# KiCad board panel_0.kicad_pcb (continued)
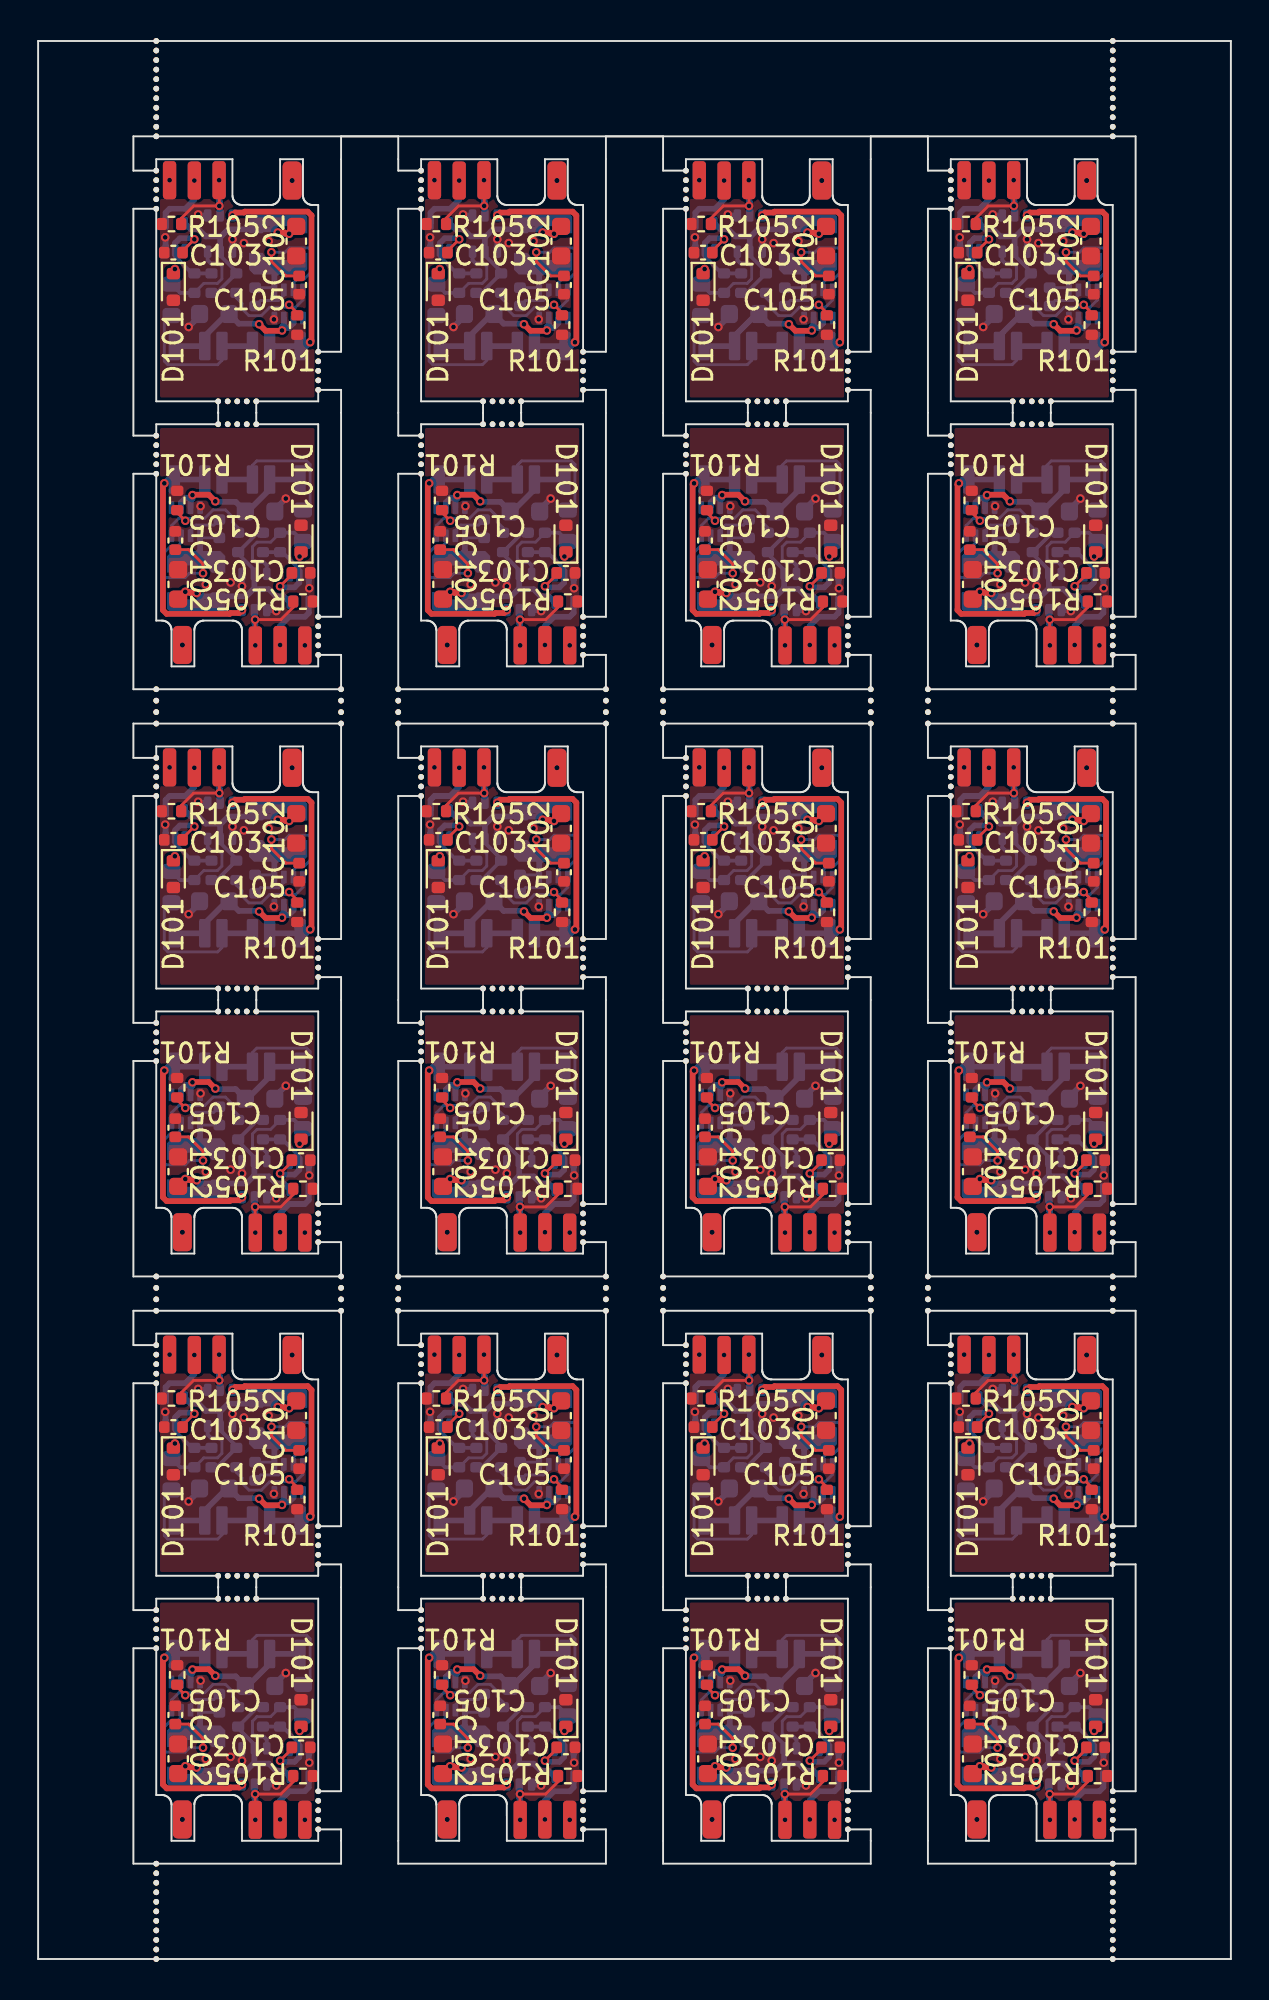
[diagram p0: board, top side]
## Placement (name value [footprint] x y rotation side) (continued)
H108#13  Pad  [SolderWirePad_1x01_SMD_1.5x3mm#2]  55.03 62.48 0 top
H108#14  Pad  [SolderWirePad_1x01_SMD_1.5x3mm#2]  7.57 38.12 180 top
H108#15  Pad  [SolderWirePad_1x01_SMD_1.5x3mm#2]  7.57 7.32 180 top
H108#16  Pad  [SolderWirePad_1x01_SMD_1.5x3mm#2]  49.27 7.32 180 top
H108#17  Pad  [SolderWirePad_1x01_SMD_1.5x3mm#2]  35.37 7.32 180 top
H108#18  Pad  [SolderWirePad_1x01_SMD_1.5x3mm#2]  41.13 62.48 0 top
H108#19  Pad  [SolderWirePad_1x01_SMD_1.5x3mm#2]  27.23 93.28 0 top
H108#20  Pad  [SolderWirePad_1x01_SMD_1.5x3mm#2]  41.13 31.68 0 top
H108#21  Pad  [SolderWirePad_1x01_SMD_1.5x3mm#2]  27.23 62.48 0 top
H108#22  Pad  [SolderWirePad_1x01_SMD_1.5x3mm#2]  13.33 31.68 0 top
H108#23  Pad  [SolderWirePad_1x01_SMD_1.5x3mm#2]  35.37 38.12 180 top
H108#24  Pad  [SolderWirePad_1x01_SMD_1.5x3mm#2]  41.13 93.28 0 top
H109  Pad  [SolderWirePad_1x01_SMD_1.5x3mm]  22.1 62.48 0 top
H109#2  Pad  [SolderWirePad_1x01_SMD_1.5x3mm]  12.7 38.12 180 top
H109#3  Pad  [SolderWirePad_1x01_SMD_1.5x3mm]  49.9 93.28 0 top
H109#4  Pad  [SolderWirePad_1x01_SMD_1.5x3mm]  12.7 7.32 180 top
H109#5  Pad  [SolderWirePad_1x01_SMD_1.5x3mm]  40.5 7.32 180 top
H109#6  Pad  [SolderWirePad_1x01_SMD_1.5x3mm]  26.6 68.92 180 top
H109#7  Pad  [SolderWirePad_1x01_SMD_1.5x3mm]  22.1 93.28 0 top
H109#8  Pad  [SolderWirePad_1x01_SMD_1.5x3mm]  54.4 38.12 180 top
H109#9  Pad  [SolderWirePad_1x01_SMD_1.5x3mm]  22.1 31.68 0 top
H109#10  Pad  [SolderWirePad_1x01_SMD_1.5x3mm]  40.5 68.92 180 top
H109#11  Pad  [SolderWirePad_1x01_SMD_1.5x3mm]  36 62.48 0 top
H109#12  Pad  [SolderWirePad_1x01_SMD_1.5x3mm]  8.2 31.68 0 top
H109#13  Pad  [SolderWirePad_1x01_SMD_1.5x3mm]  36 93.28 0 top
H109#14  Pad  [SolderWirePad_1x01_SMD_1.5x3mm]  54.4 7.32 180 top
H109#15  Pad  [SolderWirePad_1x01_SMD_1.5x3mm]  12.7 68.92 180 top
H109#16  Pad  [SolderWirePad_1x01_SMD_1.5x3mm]  26.6 38.12 180 top
H109#17  Pad  [SolderWirePad_1x01_SMD_1.5x3mm]  49.9 62.48 0 top
H109#18  Pad  [SolderWirePad_1x01_SMD_1.5x3mm]  49.9 31.68 0 top
H109#19  Pad  [SolderWirePad_1x01_SMD_1.5x3mm]  36 31.68 0 top
H109#20  Pad  [SolderWirePad_1x01_SMD_1.5x3mm]  54.4 68.92 180 top
H109#21  Pad  [SolderWirePad_1x01_SMD_1.5x3mm]  8.2 93.28 0 top
H109#22  Pad  [SolderWirePad_1x01_SMD_1.5x3mm]  26.6 7.32 180 top
H109#23  Pad  [SolderWirePad_1x01_SMD_1.5x3mm]  8.2 62.48 0 top
H109#24  Pad  [SolderWirePad_1x01_SMD_1.5x3mm]  40.5 38.12 180 top
H110  Pad  [SolderWirePad_1x01_SMD_1.5x3mm]  39.2 7.3 180 top
H110#2  Pad  [SolderWirePad_1x01_SMD_1.5x3mm]  53.1 38.1 180 top
H110#3  Pad  [SolderWirePad_1x01_SMD_1.5x3mm]  39.2 68.9 180 top
H110#4  Pad  [SolderWirePad_1x01_SMD_1.5x3mm]  23.4 31.7 0 top
H110#5  Pad  [SolderWirePad_1x01_SMD_1.5x3mm]  25.3 68.9 180 top
H110#6  Pad  [SolderWirePad_1x01_SMD_1.5x3mm]  23.4 93.3 0 top
H110#7  Pad  [SolderWirePad_1x01_SMD_1.5x3mm]  25.3 38.1 180 top
H110#8  Pad  [SolderWirePad_1x01_SMD_1.5x3mm]  51.2 93.3 0 top
H110#9  Pad  [SolderWirePad_1x01_SMD_1.5x3mm]  11.4 38.1 180 top
H110#10  Pad  [SolderWirePad_1x01_SMD_1.5x3mm]  9.5 93.3 0 top
H110#11  Pad  [SolderWirePad_1x01_SMD_1.5x3mm]  23.4 62.5 0 top
H110#12  Pad  [SolderWirePad_1x01_SMD_1.5x3mm]  37.3 31.7 0 top
H110#13  Pad  [SolderWirePad_1x01_SMD_1.5x3mm]  53.1 7.3 180 top
H110#14  Pad  [SolderWirePad_1x01_SMD_1.5x3mm]  37.3 62.5 0 top
H110#15  Pad  [SolderWirePad_1x01_SMD_1.5x3mm]  9.5 62.5 0 top
H110#16  Pad  [SolderWirePad_1x01_SMD_1.5x3mm]  39.2 38.1 180 top
H110#17  Pad  [SolderWirePad_1x01_SMD_1.5x3mm]  53.1 68.9 180 top
H110#18  Pad  [SolderWirePad_1x01_SMD_1.5x3mm]  9.5 31.7 0 top
H110#19  Pad  [SolderWirePad_1x01_SMD_1.5x3mm]  25.3 7.3 180 top
H110#20  Pad  [SolderWirePad_1x01_SMD_1.5x3mm]  51.2 62.5 0 top
H110#21  Pad  [SolderWirePad_1x01_SMD_1.5x3mm]  11.4 7.3 180 top
H110#22  Pad  [SolderWirePad_1x01_SMD_1.5x3mm]  37.3 93.3 0 top
H110#23  Pad  [SolderWirePad_1x01_SMD_1.5x3mm]  11.4 68.9 180 top
H110#24  Pad  [SolderWirePad_1x01_SMD_1.5x3mm]  51.2 31.7 0 top
H111  Pad  [SolderWirePad_1x01_SMD_1.5x3mm]  27.9 38.1 180 top
H111#2  Pad  [SolderWirePad_1x01_SMD_1.5x3mm]  48.6 31.7 0 top
H111#3  Pad  [SolderWirePad_1x01_SMD_1.5x3mm]  14 68.9 180 top
H111#4  Pad  [SolderWirePad_1x01_SMD_1.5x3mm]  27.9 68.9 180 top
H111#5  Pad  [SolderWirePad_1x01_SMD_1.5x3mm]  14 7.3 180 top
H111#6  Pad  [SolderWirePad_1x01_SMD_1.5x3mm]  20.8 93.3 0 top
H111#7  Pad  [SolderWirePad_1x01_SMD_1.5x3mm]  6.9 93.3 0 top
H111#8  Pad  [SolderWirePad_1x01_SMD_1.5x3mm]  41.8 68.9 180 top
H111#9  Pad  [SolderWirePad_1x01_SMD_1.5x3mm]  55.7 7.3 180 top
H111#10  Pad  [SolderWirePad_1x01_SMD_1.5x3mm]  20.8 31.7 0 top
H111#11  Pad  [SolderWirePad_1x01_SMD_1.5x3mm]  6.9 31.7 0 top
H111#12  Pad  [SolderWirePad_1x01_SMD_1.5x3mm]  27.9 7.3 180 top
H111#13  Pad  [SolderWirePad_1x01_SMD_1.5x3mm]  6.9 62.5 0 top
H111#14  Pad  [SolderWirePad_1x01_SMD_1.5x3mm]  14 38.1 180 top
H111#15  Pad  [SolderWirePad_1x01_SMD_1.5x3mm]  55.7 68.9 180 top
H111#16  Pad  [SolderWirePad_1x01_SMD_1.5x3mm]  34.7 62.5 0 top
H111#17  Pad  [SolderWirePad_1x01_SMD_1.5x3mm]  41.8 7.3 180 top
H111#18  Pad  [SolderWirePad_1x01_SMD_1.5x3mm]  34.7 93.3 0 top
H111#19  Pad  [SolderWirePad_1x01_SMD_1.5x3mm]  34.7 31.7 0 top
H111#20  Pad  [SolderWirePad_1x01_SMD_1.5x3mm]  55.7 38.1 180 top
H111#21  Pad  [SolderWirePad_1x01_SMD_1.5x3mm]  41.8 38.1 180 top
H111#22  Pad  [SolderWirePad_1x01_SMD_1.5x3mm]  48.6 62.5 0 top
H111#23  Pad  [SolderWirePad_1x01_SMD_1.5x3mm]  20.8 62.5 0 top
H111#24  Pad  [SolderWirePad_1x01_SMD_1.5x3mm]  48.6 93.3 0 top
KiKit_MB_1_1  -  [NPTH]  11.45 81.7 0 top
KiKit_MB_1_2  -  [NPTH]  10.95 81.7 0 top
KiKit_MB_1_3  -  [NPTH]  10.45 81.7 0 top
KiKit_MB_1_4  -  [NPTH]  9.95 81.7 0 top
KiKit_MB_1_5  -  [NPTH]  9.45 81.7 0 top
KiKit_MB_2_1  -  [NPTH]  14.7 84.3 0 top
KiKit_MB_2_2  -  [NPTH]  14.7 83.8 0 top
KiKit_MB_2_3  -  [NPTH]  14.7 83.3 0 top
KiKit_MB_2_4  -  [NPTH]  14.7 82.8 0 top
KiKit_MB_2_5  -  [NPTH]  14.7 82.3 0 top
KiKit_MB_3_1  -  [NPTH]  6.2 91.8 0 top
KiKit_MB_3_2  -  [NPTH]  6.2 92.3 0 top
KiKit_MB_3_3  -  [NPTH]  6.2 92.8 0 top
KiKit_MB_3_4  -  [NPTH]  6.2 93.3 0 top
KiKit_MB_3_5  -  [NPTH]  6.2 93.8 0 top
KiKit_MB_4_1  -  [NPTH]  25.35 81.7 0 top
KiKit_MB_4_2  -  [NPTH]  24.85 81.7 0 top
KiKit_MB_4_3  -  [NPTH]  24.35 81.7 0 top
KiKit_MB_4_4  -  [NPTH]  23.85 81.7 0 top
KiKit_MB_4_5  -  [NPTH]  23.35 81.7 0 top
KiKit_MB_5_1  -  [NPTH]  28.6 84.3 0 top
KiKit_MB_5_2  -  [NPTH]  28.6 83.8 0 top
KiKit_MB_5_3  -  [NPTH]  28.6 83.3 0 top
KiKit_MB_5_4  -  [NPTH]  28.6 82.8 0 top
KiKit_MB_5_5  -  [NPTH]  28.6 82.3 0 top
KiKit_MB_6_1  -  [NPTH]  20.1 91.8 0 top
KiKit_MB_6_2  -  [NPTH]  20.1 92.3 0 top
KiKit_MB_6_3  -  [NPTH]  20.1 92.8 0 top
KiKit_MB_6_4  -  [NPTH]  20.1 93.3 0 top
KiKit_MB_6_5  -  [NPTH]  20.1 93.8 0 top
KiKit_MB_7_1  -  [NPTH]  39.25 81.7 0 top
KiKit_MB_7_2  -  [NPTH]  38.75 81.7 0 top
KiKit_MB_7_3  -  [NPTH]  38.25 81.7 0 top
KiKit_MB_7_4  -  [NPTH]  37.75 81.7 0 top
KiKit_MB_7_5  -  [NPTH]  37.25 81.7 0 top
KiKit_MB_8_1  -  [NPTH]  42.5 84.3 0 top
KiKit_MB_8_2  -  [NPTH]  42.5 83.8 0 top
KiKit_MB_8_3  -  [NPTH]  42.5 83.3 0 top
KiKit_MB_8_4  -  [NPTH]  42.5 82.8 0 top
KiKit_MB_8_5  -  [NPTH]  42.5 82.3 0 top
KiKit_MB_9_1  -  [NPTH]  34 91.8 0 top
KiKit_MB_9_2  -  [NPTH]  34 92.3 0 top
KiKit_MB_9_3  -  [NPTH]  34 92.8 0 top
KiKit_MB_9_4  -  [NPTH]  34 93.3 0 top
KiKit_MB_9_5  -  [NPTH]  34 93.8 0 top
KiKit_MB_10_1  -  [NPTH]  53.15 81.7 0 top
KiKit_MB_10_2  -  [NPTH]  52.65 81.7 0 top
KiKit_MB_10_3  -  [NPTH]  52.15 81.7 0 top
KiKit_MB_10_4  -  [NPTH]  51.65 81.7 0 top
KiKit_MB_10_5  -  [NPTH]  51.15 81.7 0 top
KiKit_MB_11_1  -  [NPTH]  56.4 84.3 0 top
KiKit_MB_11_2  -  [NPTH]  56.4 83.8 0 top
KiKit_MB_11_3  -  [NPTH]  56.4 83.3 0 top
KiKit_MB_11_4  -  [NPTH]  56.4 82.8 0 top
KiKit_MB_11_5  -  [NPTH]  56.4 82.3 0 top
KiKit_MB_12_1  -  [NPTH]  47.9 91.8 0 top
KiKit_MB_12_2  -  [NPTH]  47.9 92.3 0 top
KiKit_MB_12_3  -  [NPTH]  47.9 92.8 0 top
KiKit_MB_12_4  -  [NPTH]  47.9 93.3 0 top
KiKit_MB_12_5  -  [NPTH]  47.9 93.8 0 top
KiKit_MB_13_1  -  [NPTH]  9.45 80.5 0 top
KiKit_MB_13_2  -  [NPTH]  9.95 80.5 0 top
KiKit_MB_13_3  -  [NPTH]  10.45 80.5 0 top
KiKit_MB_13_4  -  [NPTH]  10.95 80.5 0 top
KiKit_MB_13_5  -  [NPTH]  11.45 80.5 0 top
KiKit_MB_14_1  -  [NPTH]  6.2 77.9 0 top
KiKit_MB_14_2  -  [NPTH]  6.2 78.4 0 top
KiKit_MB_14_3  -  [NPTH]  6.2 78.9 0 top
KiKit_MB_14_4  -  [NPTH]  6.2 79.4 0 top
KiKit_MB_14_5  -  [NPTH]  6.2 79.9 0 top
KiKit_MB_15_1  -  [NPTH]  14.7 70.4 0 top
KiKit_MB_15_2  -  [NPTH]  14.7 69.9 0 top
KiKit_MB_15_3  -  [NPTH]  14.7 69.4 0 top
KiKit_MB_15_4  -  [NPTH]  14.7 68.9 0 top
KiKit_MB_15_5  -  [NPTH]  14.7 68.4 0 top
KiKit_MB_16_1  -  [NPTH]  23.35 80.5 0 top
KiKit_MB_16_2  -  [NPTH]  23.85 80.5 0 top
KiKit_MB_16_3  -  [NPTH]  24.35 80.5 0 top
KiKit_MB_16_4  -  [NPTH]  24.85 80.5 0 top
KiKit_MB_16_5  -  [NPTH]  25.35 80.5 0 top
KiKit_MB_17_1  -  [NPTH]  20.1 77.9 0 top
KiKit_MB_17_2  -  [NPTH]  20.1 78.4 0 top
KiKit_MB_17_3  -  [NPTH]  20.1 78.9 0 top
KiKit_MB_17_4  -  [NPTH]  20.1 79.4 0 top
KiKit_MB_17_5  -  [NPTH]  20.1 79.9 0 top
KiKit_MB_18_1  -  [NPTH]  28.6 70.4 0 top
KiKit_MB_18_2  -  [NPTH]  28.6 69.9 0 top
KiKit_MB_18_3  -  [NPTH]  28.6 69.4 0 top
KiKit_MB_18_4  -  [NPTH]  28.6 68.9 0 top
KiKit_MB_18_5  -  [NPTH]  28.6 68.4 0 top
KiKit_MB_19_1  -  [NPTH]  37.25 80.5 0 top
KiKit_MB_19_2  -  [NPTH]  37.75 80.5 0 top
KiKit_MB_19_3  -  [NPTH]  38.25 80.5 0 top
KiKit_MB_19_4  -  [NPTH]  38.75 80.5 0 top
KiKit_MB_19_5  -  [NPTH]  39.25 80.5 0 top
KiKit_MB_20_1  -  [NPTH]  34 77.9 0 top
KiKit_MB_20_2  -  [NPTH]  34 78.4 0 top
KiKit_MB_20_3  -  [NPTH]  34 78.9 0 top
KiKit_MB_20_4  -  [NPTH]  34 79.4 0 top
KiKit_MB_20_5  -  [NPTH]  34 79.9 0 top
KiKit_MB_21_1  -  [NPTH]  42.5 70.4 0 top
KiKit_MB_21_2  -  [NPTH]  42.5 69.9 0 top
KiKit_MB_21_3  -  [NPTH]  42.5 69.4 0 top
KiKit_MB_21_4  -  [NPTH]  42.5 68.9 0 top
KiKit_MB_21_5  -  [NPTH]  42.5 68.4 0 top
KiKit_MB_22_1  -  [NPTH]  51.15 80.5 0 top
KiKit_MB_22_2  -  [NPTH]  51.65 80.5 0 top
KiKit_MB_22_3  -  [NPTH]  52.15 80.5 0 top
KiKit_MB_22_4  -  [NPTH]  52.65 80.5 0 top
KiKit_MB_22_5  -  [NPTH]  53.15 80.5 0 top
KiKit_MB_23_1  -  [NPTH]  47.9 77.9 0 top
KiKit_MB_23_2  -  [NPTH]  47.9 78.4 0 top
KiKit_MB_23_3  -  [NPTH]  47.9 78.9 0 top
KiKit_MB_23_4  -  [NPTH]  47.9 79.4 0 top
KiKit_MB_23_5  -  [NPTH]  47.9 79.9 0 top
KiKit_MB_24_1  -  [NPTH]  56.4 70.4 0 top
KiKit_MB_24_2  -  [NPTH]  56.4 69.9 0 top
KiKit_MB_24_3  -  [NPTH]  56.4 69.4 0 top
KiKit_MB_24_4  -  [NPTH]  56.4 68.9 0 top
KiKit_MB_24_5  -  [NPTH]  56.4 68.4 0 top
KiKit_MB_25_1  -  [NPTH]  11.45 50.9 0 top
KiKit_MB_25_2  -  [NPTH]  10.95 50.9 0 top
KiKit_MB_25_3  -  [NPTH]  10.45 50.9 0 top
KiKit_MB_25_4  -  [NPTH]  9.95 50.9 0 top
KiKit_MB_25_5  -  [NPTH]  9.45 50.9 0 top
KiKit_MB_26_1  -  [NPTH]  14.7 53.5 0 top
KiKit_MB_26_2  -  [NPTH]  14.7 53 0 top
KiKit_MB_26_3  -  [NPTH]  14.7 52.5 0 top
KiKit_MB_26_4  -  [NPTH]  14.7 52 0 top
KiKit_MB_26_5  -  [NPTH]  14.7 51.5 0 top
KiKit_MB_27_1  -  [NPTH]  6.2 61 0 top
KiKit_MB_27_2  -  [NPTH]  6.2 61.5 0 top
KiKit_MB_27_3  -  [NPTH]  6.2 62 0 top
KiKit_MB_27_4  -  [NPTH]  6.2 62.5 0 top
KiKit_MB_27_5  -  [NPTH]  6.2 63 0 top
KiKit_MB_28_1  -  [NPTH]  25.35 50.9 0 top
KiKit_MB_28_2  -  [NPTH]  24.85 50.9 0 top
KiKit_MB_28_3  -  [NPTH]  24.35 50.9 0 top
KiKit_MB_28_4  -  [NPTH]  23.85 50.9 0 top
KiKit_MB_28_5  -  [NPTH]  23.35 50.9 0 top
KiKit_MB_29_1  -  [NPTH]  28.6 53.5 0 top
KiKit_MB_29_2  -  [NPTH]  28.6 53 0 top
KiKit_MB_29_3  -  [NPTH]  28.6 52.5 0 top
KiKit_MB_29_4  -  [NPTH]  28.6 52 0 top
KiKit_MB_29_5  -  [NPTH]  28.6 51.5 0 top
KiKit_MB_30_1  -  [NPTH]  20.1 61 0 top
KiKit_MB_30_2  -  [NPTH]  20.1 61.5 0 top
KiKit_MB_30_3  -  [NPTH]  20.1 62 0 top
KiKit_MB_30_4  -  [NPTH]  20.1 62.5 0 top
KiKit_MB_30_5  -  [NPTH]  20.1 63 0 top
KiKit_MB_31_1  -  [NPTH]  39.25 50.9 0 top
KiKit_MB_31_2  -  [NPTH]  38.75 50.9 0 top
KiKit_MB_31_3  -  [NPTH]  38.25 50.9 0 top
KiKit_MB_31_4  -  [NPTH]  37.75 50.9 0 top
KiKit_MB_31_5  -  [NPTH]  37.25 50.9 0 top
KiKit_MB_32_1  -  [NPTH]  42.5 53.5 0 top
KiKit_MB_32_2  -  [NPTH]  42.5 53 0 top
KiKit_MB_32_3  -  [NPTH]  42.5 52.5 0 top
KiKit_MB_32_4  -  [NPTH]  42.5 52 0 top
KiKit_MB_32_5  -  [NPTH]  42.5 51.5 0 top
KiKit_MB_33_1  -  [NPTH]  34 61 0 top
KiKit_MB_33_2  -  [NPTH]  34 61.5 0 top
KiKit_MB_33_3  -  [NPTH]  34 62 0 top
KiKit_MB_33_4  -  [NPTH]  34 62.5 0 top
KiKit_MB_33_5  -  [NPTH]  34 63 0 top
KiKit_MB_34_1  -  [NPTH]  53.15 50.9 0 top
KiKit_MB_34_2  -  [NPTH]  52.65 50.9 0 top
KiKit_MB_34_3  -  [NPTH]  52.15 50.9 0 top
KiKit_MB_34_4  -  [NPTH]  51.65 50.9 0 top
KiKit_MB_34_5  -  [NPTH]  51.15 50.9 0 top
KiKit_MB_35_1  -  [NPTH]  56.4 53.5 0 top
KiKit_MB_35_2  -  [NPTH]  56.4 53 0 top
KiKit_MB_35_3  -  [NPTH]  56.4 52.5 0 top
KiKit_MB_35_4  -  [NPTH]  56.4 52 0 top
KiKit_MB_35_5  -  [NPTH]  56.4 51.5 0 top
KiKit_MB_36_1  -  [NPTH]  47.9 61 0 top
KiKit_MB_36_2  -  [NPTH]  47.9 61.5 0 top
KiKit_MB_36_3  -  [NPTH]  47.9 62 0 top
KiKit_MB_36_4  -  [NPTH]  47.9 62.5 0 top
KiKit_MB_36_5  -  [NPTH]  47.9 63 0 top
KiKit_MB_37_1  -  [NPTH]  9.45 49.7 0 top
KiKit_MB_37_2  -  [NPTH]  9.95 49.7 0 top
KiKit_MB_37_3  -  [NPTH]  10.45 49.7 0 top
KiKit_MB_37_4  -  [NPTH]  10.95 49.7 0 top
KiKit_MB_37_5  -  [NPTH]  11.45 49.7 0 top
KiKit_MB_38_1  -  [NPTH]  6.2 47.1 0 top
KiKit_MB_38_2  -  [NPTH]  6.2 47.6 0 top
KiKit_MB_38_3  -  [NPTH]  6.2 48.1 0 top
KiKit_MB_38_4  -  [NPTH]  6.2 48.6 0 top
KiKit_MB_38_5  -  [NPTH]  6.2 49.1 0 top
KiKit_MB_39_1  -  [NPTH]  14.7 39.6 0 top
KiKit_MB_39_2  -  [NPTH]  14.7 39.1 0 top
KiKit_MB_39_3  -  [NPTH]  14.7 38.6 0 top
KiKit_MB_39_4  -  [NPTH]  14.7 38.1 0 top
KiKit_MB_39_5  -  [NPTH]  14.7 37.6 0 top
KiKit_MB_40_1  -  [NPTH]  23.35 49.7 0 top
KiKit_MB_40_2  -  [NPTH]  23.85 49.7 0 top
KiKit_MB_40_3  -  [NPTH]  24.35 49.7 0 top
KiKit_MB_40_4  -  [NPTH]  24.85 49.7 0 top
KiKit_MB_40_5  -  [NPTH]  25.35 49.7 0 top
KiKit_MB_41_1  -  [NPTH]  20.1 47.1 0 top
KiKit_MB_41_2  -  [NPTH]  20.1 47.6 0 top
KiKit_MB_41_3  -  [NPTH]  20.1 48.1 0 top
KiKit_MB_41_4  -  [NPTH]  20.1 48.6 0 top
KiKit_MB_41_5  -  [NPTH]  20.1 49.1 0 top
KiKit_MB_42_1  -  [NPTH]  28.6 39.6 0 top
KiKit_MB_42_2  -  [NPTH]  28.6 39.1 0 top
KiKit_MB_42_3  -  [NPTH]  28.6 38.6 0 top
KiKit_MB_42_4  -  [NPTH]  28.6 38.1 0 top
KiKit_MB_42_5  -  [NPTH]  28.6 37.6 0 top
KiKit_MB_43_1  -  [NPTH]  37.25 49.7 0 top
KiKit_MB_43_2  -  [NPTH]  37.75 49.7 0 top
KiKit_MB_43_3  -  [NPTH]  38.25 49.7 0 top
KiKit_MB_43_4  -  [NPTH]  38.75 49.7 0 top
KiKit_MB_43_5  -  [NPTH]  39.25 49.7 0 top
KiKit_MB_44_1  -  [NPTH]  34 47.1 0 top
KiKit_MB_44_2  -  [NPTH]  34 47.6 0 top
KiKit_MB_44_3  -  [NPTH]  34 48.1 0 top
KiKit_MB_44_4  -  [NPTH]  34 48.6 0 top
KiKit_MB_44_5  -  [NPTH]  34 49.1 0 top
KiKit_MB_45_1  -  [NPTH]  42.5 39.6 0 top
KiKit_MB_45_2  -  [NPTH]  42.5 39.1 0 top
KiKit_MB_45_3  -  [NPTH]  42.5 38.6 0 top
KiKit_MB_45_4  -  [NPTH]  42.5 38.1 0 top
KiKit_MB_45_5  -  [NPTH]  42.5 37.6 0 top
KiKit_MB_46_1  -  [NPTH]  51.15 49.7 0 top
KiKit_MB_46_2  -  [NPTH]  51.65 49.7 0 top
KiKit_MB_46_3  -  [NPTH]  52.15 49.7 0 top
KiKit_MB_46_4  -  [NPTH]  52.65 49.7 0 top
KiKit_MB_46_5  -  [NPTH]  53.15 49.7 0 top
KiKit_MB_47_1  -  [NPTH]  47.9 47.1 0 top
KiKit_MB_47_2  -  [NPTH]  47.9 47.6 0 top
KiKit_MB_47_3  -  [NPTH]  47.9 48.1 0 top
KiKit_MB_47_4  -  [NPTH]  47.9 48.6 0 top
KiKit_MB_47_5  -  [NPTH]  47.9 49.1 0 top
KiKit_MB_48_1  -  [NPTH]  56.4 39.6 0 top
KiKit_MB_48_2  -  [NPTH]  56.4 39.1 0 top
KiKit_MB_48_3  -  [NPTH]  56.4 38.6 0 top
KiKit_MB_48_4  -  [NPTH]  56.4 38.1 0 top
KiKit_MB_48_5  -  [NPTH]  56.4 37.6 0 top
KiKit_MB_49_1  -  [NPTH]  11.45 20.1 0 top
KiKit_MB_49_2  -  [NPTH]  10.95 20.1 0 top
KiKit_MB_49_3  -  [NPTH]  10.45 20.1 0 top
KiKit_MB_49_4  -  [NPTH]  9.95 20.1 0 top
KiKit_MB_49_5  -  [NPTH]  9.45 20.1 0 top
KiKit_MB_50_1  -  [NPTH]  14.7 22.7 0 top
KiKit_MB_50_2  -  [NPTH]  14.7 22.2 0 top
KiKit_MB_50_3  -  [NPTH]  14.7 21.7 0 top
KiKit_MB_50_4  -  [NPTH]  14.7 21.2 0 top
KiKit_MB_50_5  -  [NPTH]  14.7 20.7 0 top
KiKit_MB_51_1  -  [NPTH]  6.2 30.2 0 top
KiKit_MB_51_2  -  [NPTH]  6.2 30.7 0 top
KiKit_MB_51_3  -  [NPTH]  6.2 31.2 0 top
KiKit_MB_51_4  -  [NPTH]  6.2 31.7 0 top
KiKit_MB_51_5  -  [NPTH]  6.2 32.2 0 top
KiKit_MB_52_1  -  [NPTH]  25.35 20.1 0 top
KiKit_MB_52_2  -  [NPTH]  24.85 20.1 0 top
KiKit_MB_52_3  -  [NPTH]  24.35 20.1 0 top
KiKit_MB_52_4  -  [NPTH]  23.85 20.1 0 top
KiKit_MB_52_5  -  [NPTH]  23.35 20.1 0 top
KiKit_MB_53_1  -  [NPTH]  28.6 22.7 0 top
KiKit_MB_53_2  -  [NPTH]  28.6 22.2 0 top
KiKit_MB_53_3  -  [NPTH]  28.6 21.7 0 top
KiKit_MB_53_4  -  [NPTH]  28.6 21.2 0 top
KiKit_MB_53_5  -  [NPTH]  28.6 20.7 0 top
KiKit_MB_54_1  -  [NPTH]  20.1 30.2 0 top
KiKit_MB_54_2  -  [NPTH]  20.1 30.7 0 top
KiKit_MB_54_3  -  [NPTH]  20.1 31.2 0 top
KiKit_MB_54_4  -  [NPTH]  20.1 31.7 0 top
KiKit_MB_54_5  -  [NPTH]  20.1 32.2 0 top
KiKit_MB_55_1  -  [NPTH]  39.25 20.1 0 top
KiKit_MB_55_2  -  [NPTH]  38.75 20.1 0 top
KiKit_MB_55_3  -  [NPTH]  38.25 20.1 0 top
KiKit_MB_55_4  -  [NPTH]  37.75 20.1 0 top
KiKit_MB_55_5  -  [NPTH]  37.25 20.1 0 top
KiKit_MB_56_1  -  [NPTH]  42.5 22.7 0 top
KiKit_MB_56_2  -  [NPTH]  42.5 22.2 0 top
KiKit_MB_56_3  -  [NPTH]  42.5 21.7 0 top
KiKit_MB_56_4  -  [NPTH]  42.5 21.2 0 top
KiKit_MB_56_5  -  [NPTH]  42.5 20.7 0 top
KiKit_MB_57_1  -  [NPTH]  34 30.2 0 top
KiKit_MB_57_2  -  [NPTH]  34 30.7 0 top
KiKit_MB_57_3  -  [NPTH]  34 31.2 0 top
KiKit_MB_57_4  -  [NPTH]  34 31.7 0 top
KiKit_MB_57_5  -  [NPTH]  34 32.2 0 top
KiKit_MB_58_1  -  [NPTH]  53.15 20.1 0 top
KiKit_MB_58_2  -  [NPTH]  52.65 20.1 0 top
KiKit_MB_58_3  -  [NPTH]  52.15 20.1 0 top
KiKit_MB_58_4  -  [NPTH]  51.65 20.1 0 top
KiKit_MB_58_5  -  [NPTH]  51.15 20.1 0 top
KiKit_MB_59_1  -  [NPTH]  56.4 22.7 0 top
KiKit_MB_59_2  -  [NPTH]  56.4 22.2 0 top
KiKit_MB_59_3  -  [NPTH]  56.4 21.7 0 top
KiKit_MB_59_4  -  [NPTH]  56.4 21.2 0 top
KiKit_MB_59_5  -  [NPTH]  56.4 20.7 0 top
KiKit_MB_60_1  -  [NPTH]  47.9 30.2 0 top
KiKit_MB_60_2  -  [NPTH]  47.9 30.7 0 top
KiKit_MB_60_3  -  [NPTH]  47.9 31.2 0 top
KiKit_MB_60_4  -  [NPTH]  47.9 31.7 0 top
KiKit_MB_60_5  -  [NPTH]  47.9 32.2 0 top
KiKit_MB_61_1  -  [NPTH]  9.45 18.9 0 top
KiKit_MB_61_2  -  [NPTH]  9.95 18.9 0 top
KiKit_MB_61_3  -  [NPTH]  10.45 18.9 0 top
KiKit_MB_61_4  -  [NPTH]  10.95 18.9 0 top
KiKit_MB_61_5  -  [NPTH]  11.45 18.9 0 top
KiKit_MB_62_1  -  [NPTH]  6.2 16.3 0 top
KiKit_MB_62_2  -  [NPTH]  6.2 16.8 0 top
KiKit_MB_62_3  -  [NPTH]  6.2 17.3 0 top
KiKit_MB_62_4  -  [NPTH]  6.2 17.8 0 top
KiKit_MB_62_5  -  [NPTH]  6.2 18.3 0 top
KiKit_MB_63_1  -  [NPTH]  14.7 8.8 0 top
KiKit_MB_63_2  -  [NPTH]  14.7 8.3 0 top
KiKit_MB_63_3  -  [NPTH]  14.7 7.8 0 top
KiKit_MB_63_4  -  [NPTH]  14.7 7.3 0 top
KiKit_MB_63_5  -  [NPTH]  14.7 6.8 0 top
KiKit_MB_64_1  -  [NPTH]  23.35 18.9 0 top
KiKit_MB_64_2  -  [NPTH]  23.85 18.9 0 top
KiKit_MB_64_3  -  [NPTH]  24.35 18.9 0 top
KiKit_MB_64_4  -  [NPTH]  24.85 18.9 0 top
KiKit_MB_64_5  -  [NPTH]  25.35 18.9 0 top
KiKit_MB_65_1  -  [NPTH]  20.1 16.3 0 top
KiKit_MB_65_2  -  [NPTH]  20.1 16.8 0 top
KiKit_MB_65_3  -  [NPTH]  20.1 17.3 0 top
KiKit_MB_65_4  -  [NPTH]  20.1 17.8 0 top
KiKit_MB_65_5  -  [NPTH]  20.1 18.3 0 top
KiKit_MB_66_1  -  [NPTH]  28.6 8.8 0 top
KiKit_MB_66_2  -  [NPTH]  28.6 8.3 0 top
KiKit_MB_66_3  -  [NPTH]  28.6 7.8 0 top
KiKit_MB_66_4  -  [NPTH]  28.6 7.3 0 top
KiKit_MB_66_5  -  [NPTH]  28.6 6.8 0 top
KiKit_MB_67_1  -  [NPTH]  37.25 18.9 0 top
KiKit_MB_67_2  -  [NPTH]  37.75 18.9 0 top
KiKit_MB_67_3  -  [NPTH]  38.25 18.9 0 top
KiKit_MB_67_4  -  [NPTH]  38.75 18.9 0 top
KiKit_MB_67_5  -  [NPTH]  39.25 18.9 0 top
KiKit_MB_68_1  -  [NPTH]  34 16.3 0 top
KiKit_MB_68_2  -  [NPTH]  34 16.8 0 top
KiKit_MB_68_3  -  [NPTH]  34 17.3 0 top
KiKit_MB_68_4  -  [NPTH]  34 17.8 0 top
KiKit_MB_68_5  -  [NPTH]  34 18.3 0 top
KiKit_MB_69_1  -  [NPTH]  42.5 8.8 0 top
KiKit_MB_69_2  -  [NPTH]  42.5 8.3 0 top
KiKit_MB_69_3  -  [NPTH]  42.5 7.8 0 top
KiKit_MB_69_4  -  [NPTH]  42.5 7.3 0 top
KiKit_MB_69_5  -  [NPTH]  42.5 6.8 0 top
KiKit_MB_70_1  -  [NPTH]  51.15 18.9 0 top
KiKit_MB_70_2  -  [NPTH]  51.65 18.9 0 top
KiKit_MB_70_3  -  [NPTH]  52.15 18.9 0 top
KiKit_MB_70_4  -  [NPTH]  52.65 18.9 0 top
KiKit_MB_70_5  -  [NPTH]  53.15 18.9 0 top
KiKit_MB_71_1  -  [NPTH]  47.9 16.3 0 top
KiKit_MB_71_2  -  [NPTH]  47.9 16.8 0 top
KiKit_MB_71_3  -  [NPTH]  47.9 17.3 0 top
KiKit_MB_71_4  -  [NPTH]  47.9 17.8 0 top
KiKit_MB_71_5  -  [NPTH]  47.9 18.3 0 top
KiKit_MB_72_1  -  [NPTH]  56.4 8.8 0 top
KiKit_MB_72_2  -  [NPTH]  56.4 8.3 0 top
KiKit_MB_72_3  -  [NPTH]  56.4 7.8 0 top
KiKit_MB_72_4  -  [NPTH]  56.4 7.3 0 top
KiKit_MB_72_5  -  [NPTH]  56.4 6.8 0 top
KiKit_MB_73_1  -  [NPTH]  18.9 34 0 top
KiKit_MB_73_2  -  [NPTH]  18.9 34.6 0 top
KiKit_MB_73_3  -  [NPTH]  18.9 35.2 0 top
KiKit_MB_73_4  -  [NPTH]  18.9 35.8 0 top
KiKit_MB_74_1  -  [NPTH]  29.8 35.8 0 top
KiKit_MB_74_2  -  [NPTH]  29.8 35.2 0 top
KiKit_MB_74_3  -  [NPTH]  29.8 34.6 0 top
KiKit_MB_74_4  -  [NPTH]  29.8 34 0 top
KiKit_MB_75_1  -  [NPTH]  6.2 35.8 0 top
KiKit_MB_75_2  -  [NPTH]  6.2 35.2 0 top
KiKit_MB_75_3  -  [NPTH]  6.2 34.6 0 top
KiKit_MB_75_4  -  [NPTH]  6.2 34 0 top
KiKit_MB_76_1  -  [NPTH]  15.9 35.8 0 top
KiKit_MB_76_2  -  [NPTH]  15.9 35.2 0 top
KiKit_MB_76_3  -  [NPTH]  15.9 34.6 0 top
KiKit_MB_76_4  -  [NPTH]  15.9 34 0 top
KiKit_MB_77_1  -  [NPTH]  18.9 64.8 0 top
KiKit_MB_77_2  -  [NPTH]  18.9 65.4 0 top
KiKit_MB_77_3  -  [NPTH]  18.9 66 0 top
KiKit_MB_77_4  -  [NPTH]  18.9 66.6 0 top
KiKit_MB_78_1  -  [NPTH]  29.8 66.6 0 top
KiKit_MB_78_2  -  [NPTH]  29.8 66 0 top
KiKit_MB_78_3  -  [NPTH]  29.8 65.4 0 top
KiKit_MB_78_4  -  [NPTH]  29.8 64.8 0 top
KiKit_MB_79_1  -  [NPTH]  46.7 64.8 0 top
KiKit_MB_79_2  -  [NPTH]  46.7 65.4 0 top
KiKit_MB_79_3  -  [NPTH]  46.7 66 0 top
KiKit_MB_79_4  -  [NPTH]  46.7 66.6 0 top
KiKit_MB_80_1  -  [NPTH]  56.4 66.6 0 top
KiKit_MB_80_2  -  [NPTH]  56.4 66 0 top
KiKit_MB_80_3  -  [NPTH]  56.4 65.4 0 top
KiKit_MB_80_4  -  [NPTH]  56.4 64.8 0 top
KiKit_MB_81_1  -  [NPTH]  6.2 66.6 0 top
KiKit_MB_81_2  -  [NPTH]  6.2 66 0 top
KiKit_MB_81_3  -  [NPTH]  6.2 65.4 0 top
KiKit_MB_81_4  -  [NPTH]  6.2 64.8 0 top
KiKit_MB_82_1  -  [NPTH]  15.9 66.6 0 top
KiKit_MB_82_2  -  [NPTH]  15.9 66 0 top
KiKit_MB_82_3  -  [NPTH]  15.9 65.4 0 top
KiKit_MB_82_4  -  [NPTH]  15.9 64.8 0 top
KiKit_MB_83_1  -  [NPTH]  32.8 64.8 0 top
KiKit_MB_83_2  -  [NPTH]  32.8 65.4 0 top
KiKit_MB_83_3  -  [NPTH]  32.8 66 0 top
KiKit_MB_83_4  -  [NPTH]  32.8 66.6 0 top
KiKit_MB_84_1  -  [NPTH]  43.7 66.6 0 top
KiKit_MB_84_2  -  [NPTH]  43.7 66 0 top
KiKit_MB_84_3  -  [NPTH]  43.7 65.4 0 top
KiKit_MB_84_4  -  [NPTH]  43.7 64.8 0 top
KiKit_MB_85_1  -  [NPTH]  46.7 34 0 top
KiKit_MB_85_2  -  [NPTH]  46.7 34.6 0 top
KiKit_MB_85_3  -  [NPTH]  46.7 35.2 0 top
KiKit_MB_85_4  -  [NPTH]  46.7 35.8 0 top
KiKit_MB_86_1  -  [NPTH]  56.4 35.8 0 top
KiKit_MB_86_2  -  [NPTH]  56.4 35.2 0 top
KiKit_MB_86_3  -  [NPTH]  56.4 34.6 0 top
KiKit_MB_86_4  -  [NPTH]  56.4 34 0 top
KiKit_MB_87_1  -  [NPTH]  32.8 34 0 top
KiKit_MB_87_2  -  [NPTH]  32.8 34.6 0 top
KiKit_MB_87_3  -  [NPTH]  32.8 35.2 0 top
KiKit_MB_87_4  -  [NPTH]  32.8 35.8 0 top
KiKit_MB_88_1  -  [NPTH]  43.7 35.8 0 top
KiKit_MB_88_2  -  [NPTH]  43.7 35.2 0 top
KiKit_MB_88_3  -  [NPTH]  43.7 34.6 0 top
KiKit_MB_88_4  -  [NPTH]  43.7 34 0 top
KiKit_MB_89_1  -  [NPTH]  6.2 100.6 0 top
KiKit_MB_89_2  -  [NPTH]  6.2 100.1 0 top
KiKit_MB_89_3  -  [NPTH]  6.2 99.6 0 top
KiKit_MB_89_4  -  [NPTH]  6.2 99.1 0 top
KiKit_MB_89_5  -  [NPTH]  6.2 98.6 0 top
KiKit_MB_89_6  -  [NPTH]  6.2 98.1 0 top
KiKit_MB_89_7  -  [NPTH]  6.2 97.6 0 top
KiKit_MB_89_8  -  [NPTH]  6.2 97.1 0 top
KiKit_MB_89_9  -  [NPTH]  6.2 96.6 0 top
KiKit_MB_89_10  -  [NPTH]  6.2 96.1 0 top
KiKit_MB_89_11  -  [NPTH]  6.2 95.6 0 top
KiKit_MB_90_1  -  [NPTH]  56.4 100.6 0 top
KiKit_MB_90_2  -  [NPTH]  56.4 100.1 0 top
KiKit_MB_90_3  -  [NPTH]  56.4 99.6 0 top
KiKit_MB_90_4  -  [NPTH]  56.4 99.1 0 top
KiKit_MB_90_5  -  [NPTH]  56.4 98.6 0 top
KiKit_MB_90_6  -  [NPTH]  56.4 98.1 0 top
KiKit_MB_90_7  -  [NPTH]  56.4 97.6 0 top
KiKit_MB_90_8  -  [NPTH]  56.4 97.1 0 top
KiKit_MB_90_9  -  [NPTH]  56.4 96.6 0 top
KiKit_MB_90_10  -  [NPTH]  56.4 96.1 0 top
KiKit_MB_90_11  -  [NPTH]  56.4 95.6 0 top
KiKit_MB_91_1  -  [NPTH]  6.2 5 0 top
KiKit_MB_91_2  -  [NPTH]  6.2 4.5 0 top
KiKit_MB_91_3  -  [NPTH]  6.2 4 0 top
KiKit_MB_91_4  -  [NPTH]  6.2 3.5 0 top
KiKit_MB_91_5  -  [NPTH]  6.2 3 0 top
KiKit_MB_91_6  -  [NPTH]  6.2 2.5 0 top
KiKit_MB_91_7  -  [NPTH]  6.2 2 0 top
KiKit_MB_91_8  -  [NPTH]  6.2 1.5 0 top
KiKit_MB_91_9  -  [NPTH]  6.2 1 0 top
KiKit_MB_91_10  -  [NPTH]  6.2 0.5 0 top
KiKit_MB_91_11  -  [NPTH]  6.2 0 0 top
KiKit_MB_92_1  -  [NPTH]  56.4 5 0 top
KiKit_MB_92_2  -  [NPTH]  56.4 4.5 0 top
KiKit_MB_92_3  -  [NPTH]  56.4 4 0 top
KiKit_MB_92_4  -  [NPTH]  56.4 3.5 0 top
KiKit_MB_92_5  -  [NPTH]  56.4 3 0 top
KiKit_MB_92_6  -  [NPTH]  56.4 2.5 0 top
KiKit_MB_92_7  -  [NPTH]  56.4 2 0 top
KiKit_MB_92_8  -  [NPTH]  56.4 1.5 0 top
KiKit_MB_92_9  -  [NPTH]  56.4 1 0 top
KiKit_MB_92_10  -  [NPTH]  56.4 0.5 0 top
KiKit_MB_92_11  -  [NPTH]  56.4 0 0 top
L101  FTC252075S  [L_Coilcraft_LPS3010]  40.4 28.4 90 bottom
L101#2  FTC252075S  [L_Coilcraft_LPS3010]  26.5 28.4 90 bottom
L101#3  FTC252075S  [L_Coilcraft_LPS3010]  50 10.6 270 bottom
L101#4  FTC252075S  [L_Coilcraft_LPS3010]  50 72.2 270 bottom
L101#5  FTC252075S  [L_Coilcraft_LPS3010]  12.6 28.4 90 bottom
L101#6  FTC252075S  [L_Coilcraft_LPS3010]  26.5 59.2 90 bottom
L101#7  FTC252075S  [L_Coilcraft_LPS3010]  54.3 28.4 90 bottom
L101#8  FTC252075S  [L_Coilcraft_LPS3010]  36.1 10.6 270 bottom
L101#9  FTC252075S  [L_Coilcraft_LPS3010]  50 41.4 270 bottom
L101#10  FTC252075S  [L_Coilcraft_LPS3010]  36.1 41.4 270 bottom
L101#11  FTC252075S  [L_Coilcraft_LPS3010]  40.4 90 90 bottom
L101#12  FTC252075S  [L_Coilcraft_LPS3010]  8.3 10.6 270 bottom
L101#13  FTC252075S  [L_Coilcraft_LPS3010]  54.3 90 90 bottom
L101#14  FTC252075S  [L_Coilcraft_LPS3010]  54.3 59.2 90 bottom
L101#15  FTC252075S  [L_Coilcraft_LPS3010]  22.2 72.2 270 bottom
L101#16  FTC252075S  [L_Coilcraft_LPS3010]  12.6 90 90 bottom
L101#17  FTC252075S  [L_Coilcraft_LPS3010]  22.2 10.6 270 bottom
L101#18  FTC252075S  [L_Coilcraft_LPS3010]  8.3 41.4 270 bottom
L101#19  FTC252075S  [L_Coilcraft_LPS3010]  26.5 90 90 bottom
L101#20  FTC252075S  [L_Coilcraft_LPS3010]  12.6 59.2 90 bottom
L101#21  FTC252075S  [L_Coilcraft_LPS3010]  40.4 59.2 90 bottom
L101#22  FTC252075S  [L_Coilcraft_LPS3010]  8.3 72.2 270 bottom
L101#23  FTC252075S  [L_Coilcraft_LPS3010]  22.2 41.4 270 bottom
L101#24  FTC252075S  [L_Coilcraft_LPS3010]  36.1 72.2 270 bottom
Q102  FDG1024NZ-VB  [SOT-363_SC-70-6]  39.15 40.9 270 bottom
Q102#2  FDG1024NZ-VB  [SOT-363_SC-70-6]  39.15 71.7 270 bottom
Q102#3  FDG1024NZ-VB  [SOT-363_SC-70-6]  51.25 59.7 90 bottom
Q102#4  FDG1024NZ-VB  [SOT-363_SC-70-6]  53.05 71.7 270 bottom
Q102#5  FDG1024NZ-VB  [SOT-363_SC-70-6]  9.55 90.5 90 bottom
Q102#6  FDG1024NZ-VB  [SOT-363_SC-70-6]  25.25 40.9 270 bottom
Q102#7  FDG1024NZ-VB  [SOT-363_SC-70-6]  25.25 71.7 270 bottom
Q102#8  FDG1024NZ-VB  [SOT-363_SC-70-6]  51.25 90.5 90 bottom
Q102#9  FDG1024NZ-VB  [SOT-363_SC-70-6]  11.35 10.1 270 bottom
Q102#10  FDG1024NZ-VB  [SOT-363_SC-70-6]  37.35 90.5 90 bottom
Q102#11  FDG1024NZ-VB  [SOT-363_SC-70-6]  53.05 10.1 270 bottom
Q102#12  FDG1024NZ-VB  [SOT-363_SC-70-6]  9.55 59.7 90 bottom
Q102#13  FDG1024NZ-VB  [SOT-363_SC-70-6]  37.35 28.9 90 bottom
Q102#14  FDG1024NZ-VB  [SOT-363_SC-70-6]  53.05 40.9 270 bottom
Q102#15  FDG1024NZ-VB  [SOT-363_SC-70-6]  51.25 28.9 90 bottom
Q102#16  FDG1024NZ-VB  [SOT-363_SC-70-6]  37.35 59.7 90 bottom
Q102#17  FDG1024NZ-VB  [SOT-363_SC-70-6]  11.35 71.7 270 bottom
Q102#18  FDG1024NZ-VB  [SOT-363_SC-70-6]  11.35 40.9 270 bottom
Q102#19  FDG1024NZ-VB  [SOT-363_SC-70-6]  25.25 10.1 270 bottom
Q102#20  FDG1024NZ-VB  [SOT-363_SC-70-6]  9.55 28.9 90 bottom
Q102#21  FDG1024NZ-VB  [SOT-363_SC-70-6]  39.15 10.1 270 bottom
Q102#22  FDG1024NZ-VB  [SOT-363_SC-70-6]  23.45 28.9 90 bottom
Q102#23  FDG1024NZ-VB  [SOT-363_SC-70-6]  23.45 59.7 90 bottom
Q102#24  FDG1024NZ-VB  [SOT-363_SC-70-6]  23.45 90.5 90 bottom
R101  R_15K_0402_0W063_1%_100PPM_50V  [R_0402_1005Metric]  13.6 24.1 270 top
R101#2  R_15K_0402_0W063_1%_100PPM_50V  [R_0402_1005Metric]  7.3 76.5 90 top
R101#3  R_15K_0402_0W063_1%_100PPM_50V  [R_0402_1005Metric]  27.5 24.1 270 top
R101#4  R_15K_0402_0W063_1%_100PPM_50V  [R_0402_1005Metric]  21.2 45.7 90 top
R101#5  R_15K_0402_0W063_1%_100PPM_50V  [R_0402_1005Metric]  27.5 54.9 270 top
R101#6  R_15K_0402_0W063_1%_100PPM_50V  [R_0402_1005Metric]  49 76.5 90 top
R101#7  R_15K_0402_0W063_1%_100PPM_50V  [R_0402_1005Metric]  35.1 76.5 90 top
R101#8  R_15K_0402_0W063_1%_100PPM_50V  [R_0402_1005Metric]  55.3 24.1 270 top
R101#9  R_15K_0402_0W063_1%_100PPM_50V  [R_0402_1005Metric]  21.2 76.5 90 top
R101#10  R_15K_0402_0W063_1%_100PPM_50V  [R_0402_1005Metric]  13.6 85.7 270 top
R101#11  R_15K_0402_0W063_1%_100PPM_50V  [R_0402_1005Metric]  7.3 14.9 90 top
R101#12  R_15K_0402_0W063_1%_100PPM_50V  [R_0402_1005Metric]  41.4 24.1 270 top
R101#13  R_15K_0402_0W063_1%_100PPM_50V  [R_0402_1005Metric]  27.5 85.7 270 top
R101#14  R_15K_0402_0W063_1%_100PPM_50V  [R_0402_1005Metric]  41.4 54.9 270 top
R101#15  R_15K_0402_0W063_1%_100PPM_50V  [R_0402_1005Metric]  13.6 54.9 270 top
R101#16  R_15K_0402_0W063_1%_100PPM_50V  [R_0402_1005Metric]  7.3 45.7 90 top
R101#17  R_15K_0402_0W063_1%_100PPM_50V  [R_0402_1005Metric]  49 45.7 90 top
R101#18  R_15K_0402_0W063_1%_100PPM_50V  [R_0402_1005Metric]  55.3 54.9 270 top
R101#19  R_15K_0402_0W063_1%_100PPM_50V  [R_0402_1005Metric]  21.2 14.9 90 top
R101#20  R_15K_0402_0W063_1%_100PPM_50V  [R_0402_1005Metric]  35.1 14.9 90 top
